# Altium PCB PCB_CONNECT.PcbDoc
Units mm, origin at the board's own origin, x right, y up, seen from the top; angles counter-clockwise.
Board outline 152.4 x 52.45 mm, 2 copper layers (Top Layer, Bottom Layer); 120 components, 48 nets, 360 pads, 310 vias.
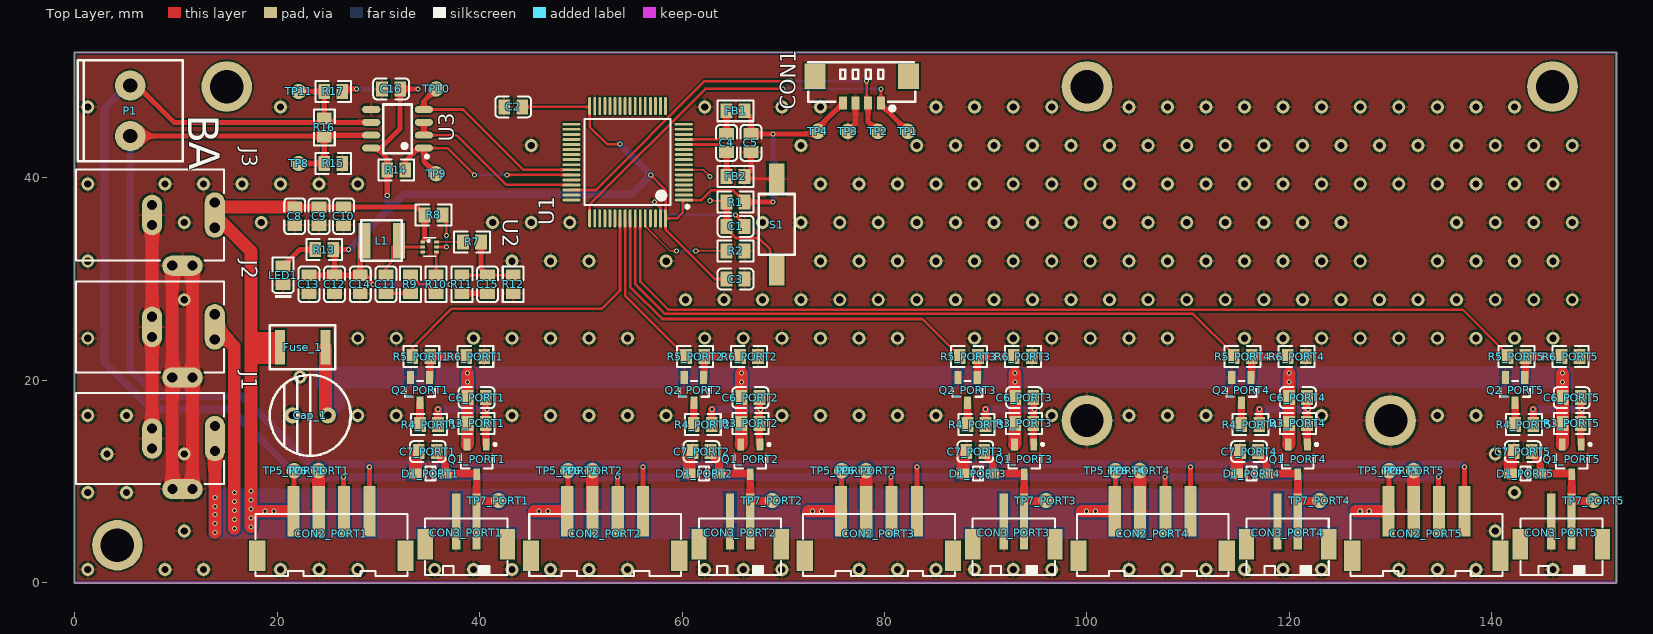
[diagram p0: Top Layer view]
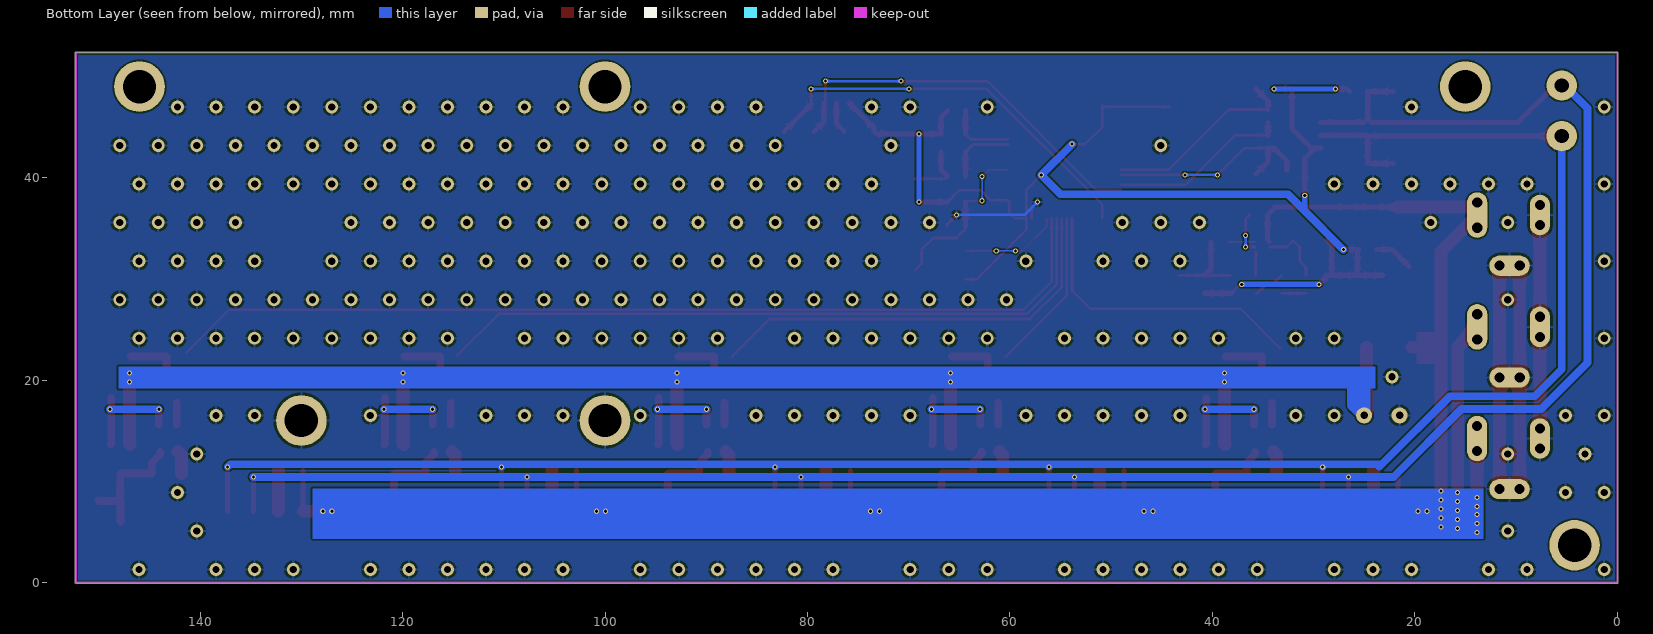
[diagram p1: Bottom Layer view, seen from below]
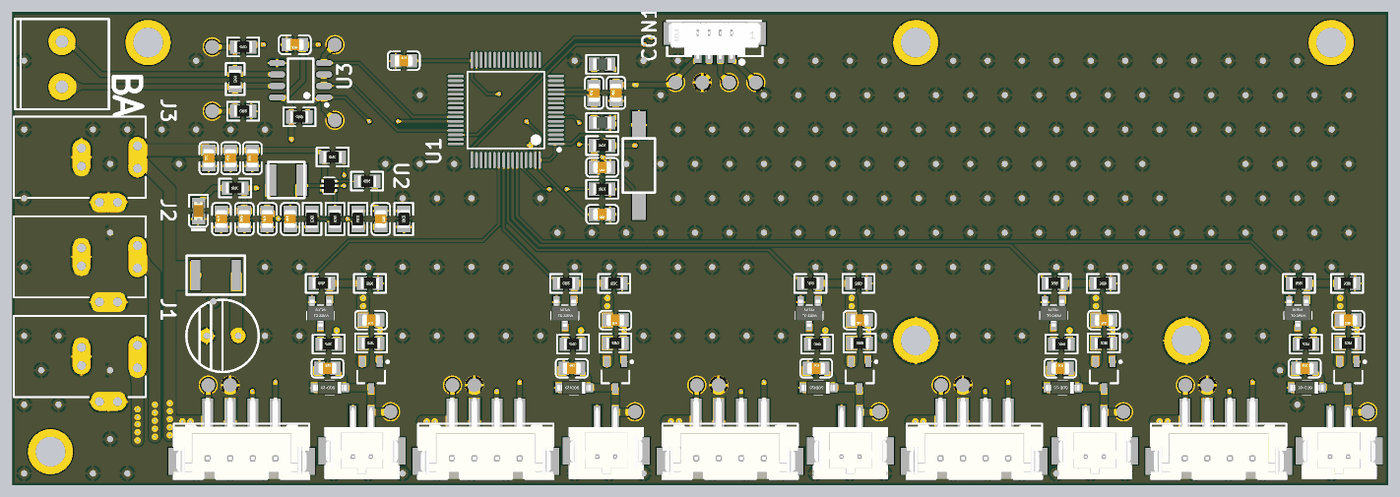
[diagram p2: 3D render of the assembled board from above, using the file's embedded part models]

## Layer stack, top to bottom
Top Solder: solder mask 0.0102, Solder Resist, Dk 3.5
Top Layer: signal copper 0.0356
Dielectric 1: dielectric 0.32, FR-4, Dk 4.8
Bottom Layer: signal copper 0.0356
Bottom Solder: solder mask 0.0102, Solder Resist, Dk 3.5

## Board outline
0,-0.064 cw(c0,0) -0.064,0 -0.064,52.324 cw(c0,52.324) 0,52.388 152.273,52.388 cw(c152.273,52.324) 152.337,52.324 152.337,0 cw(c152.273,0) 152.273,-0.064

## Design rules (kind name [scope] priority, off if disabled: settings)
Clearance [All] p1: gap=0.152
PolygonConnect [All] p1: connectstyle=Relief reliefconductorwidth=0.254 reliefentries=4 polygonreliefangle="90 Angle" airgapwidth=0.254
RoomDefinition PORT5 [InComponentClass('PORT5')] p1: confinementstyle=ConfineIn formatcopy=TRUE lockcomponents=FALSE outline 125.034,26.007 125.034,0.099 152.085,0.099 152.085,26.007
RoomDefinition PORT4 [InComponentClass('PORT4')] p2: confinementstyle=ConfineIn formatcopy=TRUE lockcomponents=FALSE outline 97.983,26.007 97.983,0.099 125.034,0.099 125.034,26.007
RoomDefinition PORT3 [InComponentClass('PORT3')] p3: confinementstyle=ConfineIn formatcopy=TRUE lockcomponents=FALSE outline 70.932,26.007 70.932,0.099 97.983,0.099 97.983,26.007
RoomDefinition PORT2 [InComponentClass('PORT2')] p4: confinementstyle=ConfineIn formatcopy=TRUE lockcomponents=FALSE outline 43.881,26.007 43.881,0.099 70.932,0.099 70.932,26.007
RoomDefinition PORT1 [InComponentClass('PORT1')] p5: confinementstyle=ConfineIn formatcopy=TRUE lockcomponents=FALSE outline 16.83,26.007 16.83,0.099 43.881,0.099 43.881,26.007
RoomDefinition Designator_RS485 [InComponentClass('Designator_RS485')] p6: confinementstyle=ConfineIn formatcopy=TRUE lockcomponents=FALSE outline 37.846,50.292 20.701,50.292 20.701,39.243 37.846,39.243
RoutingVias [All] p1: holewidth=0.3 width=0.5 viastyle="Through Hole" minholewidth=0.2 minwidth=0.45 maxholewidth=6.3 maxwidth=1.27
SolderMaskExpansion [All] p1: expansion=0.102
Width [All] p1: maxlimit=1.27 minlimit=0.152 preferedwidth=0.152
30 further rules are at their usual default settings.

## Classes and differential pairs
component class Connect: J1 J2 J3 P1
component class Designator_POWER: C8 C9 C10 C11 C12 C13 C14 C15 Cap_1 Fuse_1 L1 LED1 R7 R8 R9 R10 R11 R12 R13 U2
component class Designator_RS485: C16 R14 R15 R16 R17 TP8 TP9 TP10 TP11 U3
component class Designator: C1 C2 C3 C4 C5 CON1 FB1 FB2 R1 R2 S1 TP1 TP2 TP3 TP4 U1
component class PORT1: C6_PORT1 C7_PORT1 CON2_PORT1 CON3_PORT1 D1_PORT1 Q1_PORT1 Q2_PORT1 R3_PORT1 R4_PORT1 R5_PORT1 R6_PORT1 TP5_PORT1 TP6_PORT1 TP7_PORT1
component class PORT2: C6_PORT2 C7_PORT2 CON2_PORT2 CON3_PORT2 D1_PORT2 Q1_PORT2 Q2_PORT2 R3_PORT2 R4_PORT2 R5_PORT2 R6_PORT2 TP5_PORT2 TP6_PORT2 TP7_PORT2
component class PORT3: C6_PORT3 C7_PORT3 CON2_PORT3 CON3_PORT3 D1_PORT3 Q1_PORT3 Q2_PORT3 R3_PORT3 R4_PORT3 R5_PORT3 R6_PORT3 TP5_PORT3 TP6_PORT3 TP7_PORT3
component class PORT4: C6_PORT4 C7_PORT4 CON2_PORT4 CON3_PORT4 D1_PORT4 Q1_PORT4 Q2_PORT4 R3_PORT4 R4_PORT4 R5_PORT4 R6_PORT4 TP5_PORT4 TP6_PORT4 TP7_PORT4
component class PORT5: C6_PORT5 C7_PORT5 CON2_PORT5 CON3_PORT5 D1_PORT5 Q1_PORT5 Q2_PORT5 R3_PORT5 R4_PORT5 R5_PORT5 R6_PORT5 TP5_PORT5 TP6_PORT5 TP7_PORT5
net class LED_EN[1..5]: LED_EN1 LED_EN2 LED_EN3 LED_EN4 LED_EN5
channel class Port: PORT1 PORT2 PORT3 PORT4 PORT5

## Components (designator, comment, footprint, x,y, rotation, side; value= is the part's Value field where it differs from the comment)
C1 "100nF(104) 10% 50V" 0805_C 65.278,35.179 r180 top
C2 "100nF(104) 10% 50V" 0805_C 43.307,46.99 r0 top
C3 "100nF(104) 10% 50V" 0805_C 65.278,29.972 r180 top
C4 "100nF(104) 10% 50V" 0805_C 64.389,43.434 r90 top
C5 "100nF(104) 10% 50V" 0805_C 66.802,43.434 r90 top
C6_PORT1 "NC" 0805_C 39.69,18.26 r180 top (schematic designator C6)
C6_PORT2 "NC" 0805_C 66.741,18.26 r180 top (schematic designator C6)
C6_PORT3 "NC" 0805_C 93.792,18.26 r180 top (schematic designator C6)
C6_PORT4 "NC" 0805_C 120.843,18.26 r180 top (schematic designator C6)
C6_PORT5 "NC" 0805_C 147.894,18.26 r180 top (schematic designator C6)
C7_PORT1 "10uF (106) 10% 25V" 0805_C 34.864,12.926 r0 top (schematic designator C7)
C7_PORT2 "10uF (106) 10% 25V" 0805_C 61.915,12.926 r0 top (schematic designator C7)
C7_PORT3 "10uF (106) 10% 25V" 0805_C 88.966,12.926 r0 top (schematic designator C7)
C7_PORT4 "10uF (106) 10% 25V" 0805_C 116.017,12.926 r0 top (schematic designator C7)
C7_PORT5 "10uF (106) 10% 25V" 0805_C 143.068,12.926 r0 top (schematic designator C7)
C8 "NC" 0805_C 21.717,36.194 r90 top
C9 "10uF (106) 10% 25V" 0805_C 24.13,36.194 r90 top
C10 "100nF(104) 10% 50V" 0805_C 26.543,36.194 r90 top
C11 "1uF (105) 10% 50V" 0805_C 30.734,29.463 r90 top
C12 "100nF(104) 10% 50V" 0805_C 25.654,29.463 r90 top
C13 "22uF (226) 20% 25V" 0805_C 23.114,29.463 r90 top
C14 "22uF (226) 20% 25V" 0805_C 28.194,29.463 r90 top
C15 "33pF (330) 5% 50V" 0805_C 40.767,29.463 r270 top
C16 "100nF(104) 10% 50V" 0805_C 31.242,48.768 r180 top
Cap_1 "CAP" 8X12_CAP 23.241,16.51 r180 top
CON1 "4P_SMD1.25_WF" "MX 1.25-LS-4P" 77.74,49.632 r180 top
CON2_PORT1 "4P_XH2.54_W" XH2.54-LS-4P 25.339,3.655 r180 top (schematic designator CON2)
CON2_PORT2 "4P_XH2.54_W" XH2.54-LS-4P 52.39,3.655 r180 top (schematic designator CON2)
CON2_PORT3 "4P_XH2.54_W" XH2.54-LS-4P 79.441,3.655 r180 top (schematic designator CON2)
CON2_PORT4 "4P_XH2.54_W" XH2.54-LS-4P 106.492,3.655 r180 top (schematic designator CON2)
CON2_PORT5 "4P_XH2.54_W" XH2.54-LS-4P 133.543,3.655 r180 top (schematic designator CON2)
CON3_PORT1 "Header 2" PH2.0-LS-2P 38.674,3.528 r180 top (schematic designator CON3)
CON3_PORT2 "Header 2" PH2.0-LS-2P 65.725,3.528 r180 top (schematic designator CON3)
CON3_PORT3 "Header 2" PH2.0-LS-2P 92.776,3.528 r180 top (schematic designator CON3)
CON3_PORT4 "Header 2" PH2.0-LS-2P 119.827,3.528 r180 top (schematic designator CON3)
CON3_PORT5 "Header 2" PH2.0-LS-2P 146.878,3.528 r180 top (schematic designator CON3)
D1_PORT1 "B5819W  SL" SOD-123 35.118,10.767 r180 top (schematic designator D1)
D1_PORT2 "B5819W  SL" SOD-123 62.169,10.767 r180 top (schematic designator D1)
D1_PORT3 "B5819W  SL" SOD-123 89.22,10.767 r180 top (schematic designator D1)
D1_PORT4 "B5819W  SL" SOD-123 116.271,10.767 r180 top (schematic designator D1)
D1_PORT5 "B5819W  SL" SOD-123 143.322,10.767 r180 top (schematic designator D1)
FB1 "100Ω ±25% 100MHz" 0805_L 65.278,46.609 r180 top
FB2 "100Ω ±25% 100MHz" 0805_L 65.278,40.132 r180 top
Fuse_1 "SMD1812P260_FUSE" SMD1812P260 20.265,23.241 r0 top
J1 "PWR2.5" KLD-0202 0.127,14.224 r0 top
J2 "PWR2.5" KLD-0202 0.12,25.257 r0 top
J3 "PWR2.5" KLD-0202 0.12,36.306 r0 top
L1 "2.2uH" L_4030 32.304,35.781 r180 top
LED1 "红灯 0805" 0805_LED_S1 20.574,30.353 r90 top
P1 "Header 2" KF128-2P 5.461,46.609 r180 top
Q1_PORT1 "AO3401A P道沟 X13A15 SOT-23" SOT-23-3L 39.69,12.164 r90 top (schematic designator Q1)
Q1_PORT2 "AO3401A P道沟 X13A15 SOT-23" SOT-23-3L 66.741,12.164 r90 top (schematic designator Q1)
Q1_PORT3 "AO3401A P道沟 X13A15 SOT-23" SOT-23-3L 93.792,12.164 r90 top (schematic designator Q1)
Q1_PORT4 "AO3401A P道沟 X13A15 SOT-23" SOT-23-3L 120.843,12.164 r90 top (schematic designator Q1)
Q1_PORT5 "AO3401A P道沟 X13A15 SOT-23" SOT-23-3L 147.894,12.164 r90 top (schematic designator Q1)
Q2_PORT1 "SS8050 Y1" SOT-23(SOT-23-3) 34.102,19.002 r90 top (schematic designator Q2)
Q2_PORT2 "SS8050 Y1" SOT-23(SOT-23-3) 61.153,19.002 r90 top (schematic designator Q2)
Q2_PORT3 "SS8050 Y1" SOT-23(SOT-23-3) 88.204,19.002 r90 top (schematic designator Q2)
Q2_PORT4 "SS8050 Y1" SOT-23(SOT-23-3) 115.255,19.002 r90 top (schematic designator Q2)
Q2_PORT5 "SS8050 Y1" SOT-23(SOT-23-3) 142.306,19.002 r90 top (schematic designator Q2)
R1 "10KΩ (1002) ±1%" 0805_R 65.278,37.592 r0 top
R2 "10KΩ (1002) ±1%" 0805_R 65.278,32.766 r0 top
R3_PORT1 "100KΩ (1003) ±1%" 0805_R 39.69,15.72 r180 top (schematic designator R3)
R3_PORT2 "100KΩ (1003) ±1%" 0805_R 66.741,15.72 r180 top (schematic designator R3)
R3_PORT3 "100KΩ (1003) ±1%" 0805_R 93.792,15.72 r180 top (schematic designator R3)
R3_PORT4 "100KΩ (1003) ±1%" 0805_R 120.843,15.72 r180 top (schematic designator R3)
R3_PORT5 "100KΩ (1003) ±1%" 0805_R 147.894,15.72 r180 top (schematic designator R3)
R4_PORT1 "1KΩ (1001) ±1%" 0805_R 34.991,15.593 r180 top (schematic designator R4)
R4_PORT2 "1KΩ (1001) ±1%" 0805_R 62.042,15.593 r180 top (schematic designator R4)
R4_PORT3 "1KΩ (1001) ±1%" 0805_R 89.093,15.593 r180 top (schematic designator R4)
R4_PORT4 "1KΩ (1001) ±1%" 0805_R 116.144,15.593 r180 top (schematic designator R4)
R4_PORT5 "1KΩ (1001) ±1%" 0805_R 143.195,15.593 r180 top (schematic designator R4)
R5_PORT1 "1KΩ (1001) ±1%" 0805_R 34.229,22.324 r0 top (schematic designator R5)
R5_PORT2 "1KΩ (1001) ±1%" 0805_R 61.28,22.324 r0 top (schematic designator R5)
R5_PORT3 "1KΩ (1001) ±1%" 0805_R 88.331,22.324 r0 top (schematic designator R5)
R5_PORT4 "1KΩ (1001) ±1%" 0805_R 115.382,22.324 r0 top (schematic designator R5)
R5_PORT5 "1KΩ (1001) ±1%" 0805_R 142.433,22.324 r0 top (schematic designator R5)
R6_PORT1 "10KΩ (1002) ±1%" 0805_R 39.563,22.324 r180 top (schematic designator R6)
R6_PORT2 "10KΩ (1002) ±1%" 0805_R 66.614,22.324 r180 top (schematic designator R6)
R6_PORT3 "10KΩ (1002) ±1%" 0805_R 93.665,22.324 r180 top (schematic designator R6)
R6_PORT4 "10KΩ (1002) ±1%" 0805_R 120.716,22.324 r180 top (schematic designator R6)
R6_PORT5 "10KΩ (1002) ±1%" 0805_R 147.767,22.324 r180 top (schematic designator R6)
R7 "100KΩ (1003) ±1%" 0805_R 39.243,33.655 r0 top
R8 "100KΩ (1003) ±1%" 0805_R 35.433,36.321 r180 top
R9 "10Ω (10R0) ±1%" 0805_R 33.147,29.463 r270 top
R10 "20Ω (20R0) ±1%" 0805_R 35.687,29.463 r270 top
R11 "40.2KΩ (4022) ±1%" 0805_R 38.227,29.463 r90 top
R12 "13KΩ (1302) ±1%" 0805_R 43.307,29.463 r90 top
R13 "180Ω (1800) ±1%" 0805_R 24.638,32.893 r180 top
R14 "10KΩ (1002) ±1%" 0805_R 31.75,40.767 r180 top
R15 "10KΩ (1002) ±1%" 0805_R 25.527,41.402 r0 top
R16 "120Ω (1200) ±1%" 0805_R 24.638,44.958 r270 top
R17 "10KΩ (1002) ±1%" 0805_R 25.527,48.514 r180 top
S1 "SW-SPST" KEY 69.342,30.861 r90 top
TP1 "TP" TP 82.296,44.577 r0 top
TP2 "TP" TP 79.333,44.577 r0 top
TP3 "TP" TP 76.369,44.577 r0 top
TP4 "TP" TP 73.406,44.577 r0 top
TP5_PORT1 "TP" TP 21.656,11.049 r0 top (schematic designator TP5)
TP5_PORT2 "TP" TP 48.707,11.049 r0 top (schematic designator TP5)
TP5_PORT3 "TP" TP 75.758,11.049 r0 top (schematic designator TP5)
TP5_PORT4 "TP" TP 102.809,11.049 r0 top (schematic designator TP5)
TP5_PORT5 "TP" TP 129.86,11.049 r0 top (schematic designator TP5)
TP6_PORT1 "TP" TP 24.069,11.049 r0 top (schematic designator TP6)
TP6_PORT2 "TP" TP 51.12,11.049 r0 top (schematic designator TP6)
TP6_PORT3 "TP" TP 78.171,11.049 r0 top (schematic designator TP6)
TP6_PORT4 "TP" TP 105.222,11.049 r0 top (schematic designator TP6)
TP6_PORT5 "TP" TP 132.273,11.049 r0 top (schematic designator TP6)
TP7_PORT1 "TP" TP 41.849,8.1 r0 top (schematic designator TP7)
TP7_PORT2 "TP" TP 68.9,8.1 r0 top (schematic designator TP7)
TP7_PORT3 "TP" TP 95.951,8.1 r0 top (schematic designator TP7)
TP7_PORT4 "TP" TP 123.002,8.1 r0 top (schematic designator TP7)
TP7_PORT5 "TP" TP 150.053,8.1 r0 top (schematic designator TP7)
TP8 "TP" TP 22.098,41.402 r180 top
TP9 "TP" TP 35.687,40.386 r180 top
TP10 "TP" TP 35.687,48.768 r270 top
TP11 "TP" TP 22.098,48.514 r270 top
U1 "STM32F030R8T6" LQFP-64_10X10X05P 54.61,41.529 r90 top
U2 "MP1653HGTF-Z" SOT563-6 35.053,33.146 r270 top
U3 "SP3485EN-L/TR" SOIC-8_150mil 31.877,44.831 r90 top

## Footprints (in the part's own frame and the unit in brackets; to place one, negate y for a bottom-side part, rotate by r counter-clockwise, add the part's x,y. Pads: shape width x height; smd on the part's side, far side on the other; paste and mask are expansions set on the pad)
8X12_CAP [mm]
  round 1.6 hole 0.75: 1(-1.75,0) 2(1.75,0)
  silkscreen extent -4,-4 4,4
0805_C [mm]
  rect 1.16x1.47 smd: 1(-0.89,0) 2(0.89,0)
  silkscreen extent -1.77,-1.04 1.77,1.04, body extent -1,-0.62 1,0.63, height 0.77
0805_L [mm]
  rect 1.16x1.47 smd: 1(-0.89,0) 2(0.89,0)
  silkscreen extent -1.77,-1.04 1.77,1.03, body extent -1.02,-0.64 1.03,0.64, height 0.6
0805_LED_S1 [mm]
  rect 1.16x1.47 smd: A(0.89,0) K(-0.89,0)
  silkscreen extent -2.24,-1.04 1.77,1.03, body extent -1.01,-0.62 1.01,0.62, height 1.1
0805_R [mm]
  rect 1.16x1.47 smd: 1(-0.89,0) 2(0.89,0)
  silkscreen extent -1.77,-1.04 1.77,1.03, body extent -1,-0.62 1,0.63, height 0.49
KEY [mil]
  rect 118.11x60 smd: 1(0,0) 2(355,0)
  silkscreen extent 60,-70 296,70
KF128-2P [mm]
  round 3 hole 1.4: 1(0,2.5) 2(0,-2.5)
  silkscreen extent -5.2,-5 5.2,5
KLD-0202 [mm] "DC Power Jack, 2.5mm, KLD Series, PCB Mount"
  oval 2x4.5 all layers, no hole: 1(13.7,0)
  round 1.5 hole 1: 1A(13.7,-1.25) 1B(13.7,1.25) 2A(7.5,-1) 2B(7.5,1) 3A(9.5,-5) 3B(11.5,-5)
  oval 2x4 all layers, no hole: 2(7.5,0)
  oval 4x2 all layers, no hole: 3(10.5,-5)
  silkscreen extent 0,-4.5 14.6,4.5
L_4030 [mm]
  rect 1.2x3.5 smd: 1(0.3,2) 2(3.7,2)
  silkscreen extent 0,0 4,4
LQFP-64_10X10X05P [mm]
  oval 0.28x1.8 smd mask+0.051: 1(-3.75,-5.55) 2(-3.25,-5.55) 3(-2.75,-5.55) 4(-2.25,-5.55) 5(-1.75,-5.55) 6(-1.25,-5.55) 7(-0.75,-5.55) 8(-0.25,-5.55) 9(0.25,-5.55) 10(0.75,-5.55) 11(1.25,-5.55) 12(1.75,-5.55) 13(2.25,-5.55) 14(2.75,-5.55) 15(3.25,-5.55) 16(3.75,-5.55) 33(3.75,5.55) 34(3.25,5.55) 35(2.75,5.55) 36(2.25,5.55) 37(1.75,5.55) 38(1.25,5.55) 39(0.75,5.55) 40(0.25,5.55) 41(-0.25,5.55) 42(-0.75,5.55) 43(-1.25,5.55) 44(-1.75,5.55) 45(-2.25,5.55) 46(-2.75,5.55) 47(-3.25,5.55) 48(-3.75,5.55)
  oval 1.8x0.28 smd mask+0.051: 17(5.55,-3.75) 18(5.55,-3.25) 19(5.55,-2.75) 20(5.55,-2.25) 21(5.55,-1.75) 22(5.55,-1.25) 23(5.55,-0.75) 24(5.55,-0.25) 25(5.55,0.25) 26(5.55,0.75) 27(5.55,1.25) 28(5.55,1.75) 29(5.55,2.25) 30(5.55,2.75) 31(5.55,3.25) 32(5.55,3.75) 49(-5.55,3.75) 50(-5.55,3.25) 51(-5.55,2.75) 52(-5.55,2.25) 53(-5.55,1.75) 54(-5.55,1.25) 55(-5.55,0.75) 56(-5.55,0.25) 57(-5.55,-0.25) 58(-5.55,-0.75) 59(-5.55,-1.25) 60(-5.55,-1.75) 61(-5.55,-2.25) 62(-5.55,-2.75) 63(-5.55,-3.25) 64(-5.55,-3.75)
  silkscreen extent -4.55,-6.05 4.25,4.25
"MX 1.25-LS-4P" [mm] "长：9.75m，宽：3.7mm，高：4.7mm"
  rect 2.1x2.5 smd: 0(-4.632,-0.381) 0(4.604,-0.381)
  rect 0.8x1.3 smd: 1(-1.889,2.261) 2(-0.639,2.261) 3(0.611,2.261) 4(1.861,2.261)
  silkscreen extent -5.29,-1.78 5.27,2.99, body extent -5.07,-1.6 5.07,2.5, height 4.7
PH2.0-LS-2P [mm] "长：8mm，宽：5.5mm，高：6.1mm"
  rect 1.5x3 smd: 0(-4.064,-0.254) 0(4.064,-0.254)
  rect 0.8x5.5 smd: 1(-1,-2.492) 2(1,-2.492)
  silkscreen extent -4.06,-2.79 4.06,2.79, body extent -4,-5.05 4,2.75, height 6.15
SMD1812P260 [mm]
  rect 1x3.41 smd: 1(0,0) 2(4.5,0)
  silkscreen extent -1.02,-2.16 5.46,2.16
SOD-123 [mm]
  rect 1.25x1 smd: 1(1.475,0) 2(-1.475,0)
  silkscreen extent -0.5,-0.7 0.5,0.7, body extent -1.85,-0.77 1.85,0.78, height 1.35
SOIC-8_150mil [mm]
  oval 0.7x1.8 smd: 1(-1.905,-2.6) 2(-0.635,-2.6) 3(0.635,-2.6) 4(1.905,-2.6) 5(1.905,2.6) 6(0.635,2.6) 7(-0.635,2.6) 8(-1.905,2.6)
  silkscreen extent -2.9,-3.05 2.4,1.4
SOT563-6 [mm]
  rect 0.3x0.45 smd: 1(-0.5,-0.675) 2(0,-0.675) 3(0.5,-0.675) 4(0.5,0.675) 5(0,0.675) 6(-0.5,0.675)
  silkscreen extent -0.9,-0.6 0.9,0.6, body extent -0.8,-0.8 0.8,0.83, height 0.58
SOT-23(SOT-23-3) [mm]
  rect 1.25x0.7 smd: 1(1.25,-0.95) 2(1.25,0.95) 3(-1.25,0)
  silkscreen extent -0.65,-1.46 0.9,1.46, body extent -1.5,-1.5 1.5,1.5, height 1.3
SOT-23-3L [mm] "http://www.aosmd.com/res/packaging_information/SOT-23-3L.pdf"
  rect 1.15x0.65 smd: 1(1.475,-0.95) 2(1.475,0.95) 3(-1.475,0)
  silkscreen extent -0.9,-1.95 1.6,1.55, body extent -0.9,-1.55 0.9,1.55, height 1.25
TP [mil]
  round 60 smd mask+11.81: 1(0,0)
XH2.54-LS-4P [mm] "长：15mm，宽：6mm，高：8.3mm"
  rect 1.6x3 smd: 0(-7.326,1.016) 0(7.326,1.016)
  rect 1.2x5 smd: 1(-3.75,-3.383) 2(-1.25,-3.383) 3(1.25,-3.383) 4(3.75,-3.383)
  silkscreen extent -7.5,-3.13 7.5,3, body extent -7.5,-6 7.5,3, height 8

## Part data
C1 C2 C3 C4 C5 C10 C12 C16: library part "0805 100nF(104) 10% 50V", "贴片电容"
C6_PORT1 C6_PORT2 C6_PORT3 C6_PORT4 C6_PORT5 C13 C14: library part "0805 22uF (226) 20% 25V", "贴片电容"
C7_PORT1 C7_PORT2 C7_PORT3 C7_PORT4 C7_PORT5 C8 C9: library part "0805 10uF (106) 10% 25V", "贴片电容"
C11: library part "0805 1uF (105) 10% 50V", "贴片电容"
C15: library part "0805 33pF (330) 5% 50V", "贴片电容"
CON1: library part 4P_XH2.54_W
CON3_PORT1 CON3_PORT2 CON3_PORT3 CON3_PORT4 CON3_PORT5 P1: "Header, 2-Pin"
D1_PORT1 D1_PORT2 D1_PORT3 D1_PORT4 D1_PORT5: library part "SOD-123 B5819W  SL", "肖特基二极管"
FB1 FB2: library part "0805 100Ω 25% 100MHz", "贴片磁珠"
J1 J2 J3: "Low Voltage Power Supply Connector"
L1: library part 33uH
LED1: library part "0805 红灯", "发光二极管"
Q1_PORT1 Q1_PORT2 Q1_PORT3 Q1_PORT4 Q1_PORT5: "MOS(场效应管)"
Q2_PORT1 Q2_PORT2 Q2_PORT3 Q2_PORT4 Q2_PORT5: library part "SOT-23 SS8050 Y1", "三极管"
R1 R2 R6_PORT1 R6_PORT2 R6_PORT3 R6_PORT4 R6_PORT5 R14 R15 R17: library part "0805 10KΩ (1002) 1%", "贴片电阻"
R3_PORT1 R3_PORT2 R3_PORT3 R3_PORT4 R3_PORT5 R7 R8: library part "0805 100KΩ (1003) 1%", "贴片电阻"
R4_PORT1 R4_PORT2 R4_PORT3 R4_PORT4 R4_PORT5 R5_PORT1 R5_PORT2 R5_PORT3 R5_PORT4 R5_PORT5: library part "0805 1KΩ (1001) 1%", "贴片电阻"
R9: library part "0805 10Ω (10R0) 1%", "贴片电阻"
R10: library part "0805 20Ω (20R0) 1%", "贴片电阻"
R11: library part "0805 40.2KΩ (4022) 1%", "贴片电阻"
R12: library part "0805 13KΩ (1302) 1%", "贴片电阻"
R13: library part "0805 180Ω (1800) 1%", "贴片电阻"
R16: library part "0805 120Ω (1200) 1%", "贴片电阻"
S1: "Single-Pole, Single-Throw Switch"
U3: library part SP3485EN-L/TR_[C8963], "RS-485/RS-422"

## Free pads (board coordinates)
  round 5 hole 3.3: 0(4.191,3.683) 0(15,49) 0(100,16) 0(100,49) 0(130,16) 0(146,49)

## Via types
v1: diameter 1.27, hole 0.711, Top Layer to Bottom Layer, tented both sides, 231 vias
v2: diameter 0.5, hole 0.3, Top Layer to Bottom Layer, 79 vias

## Nets (pads, with @x,y where several pads share a name; then routed paths per layer and width w, separated by ;. In a path a pad name is that pad's centre, name@x,y a point inside that pad or via, vN(x,y) a via of type N, cw(c..) or ccw(c..) an arc to the next point about the centre after c; other vN are vias at no path point)
DE: U1.45 U3.2 U3.3 | length 17.9
  Top Layer w0.254: U3.2 37.719,44.196 42.636,39.279 U1.45
  Top Layer w0.508: U3.2 U3.3
GNDA: C4.1 FB2.2 U1.12 | length 6.9
  Top Layer w0.254: U1.12 63.654,43.279 C4.1
  Top Layer w0.508: FB2.2 64.388,42.543 C4.1
LED_EN1: R5_PORT1.1 U1.55 | length 30.1
  Top Layer w0.254: 33.293,23.133 37.211,27.051 52.07,27.051 53.86,28.841 U1.55
LED_EN2: R5_PORT2.1 U1.56 | length 16.2
  Top Layer w0.254: U1.56 54.36,28.354 R5_PORT2.1
LED_EN3: R5_PORT3.1 U1.57 | length 42.2
  Top Layer w0.254: U1.57 54.86,29.214 58.039,26.035 83.73,26.035 R5_PORT3.1
LED_EN4: R5_PORT4.1 U1.58 | length 68.7
  Top Layer w0.254: U1.58 55.36,29.476 58.293,26.543 110.49,26.543 R5_PORT4.1@114.617,22.415
LED_EN5: R5_PORT5.1 U1.59 | length 94.6
  Top Layer w0.254: U1.59 55.86,29.738 58.649,26.949 137.135,26.949 R5_PORT5.1@141.351,22.733
LOCK_GND_PORT1: C1.1 C2.1 C3.1 C5.1 C7_PORT1.1 C7_PORT2.1 C7_PORT3.1 C7_PORT4.1 C7_PORT5.1 C8.1 C9.1 C10.1 C12.1 C13.1 C14.1 C16.2 Cap_1.2 CON1.3 CON2_PORT1.3 CON2_PORT2.3 CON2_PORT3.3 CON2_PORT4.3 CON2_PORT5.3 CON3_PORT1.2 CON3_PORT2.2 CON3_PORT3.2 CON3_PORT4.2 CON3_PORT5.2 D1_PORT1.1 D1_PORT2.1 D1_PORT3.1 D1_PORT4.1 D1_PORT5.1 FB2.1 J1.2 J1.2A J1.2B J1.3 J1.3A J1.3B J2.2 J2.2A J2.2B J2.3 J2.3A J2.3B J3.2 J3.2A J3.2B J3.3 J3.3A J3.3B LED1.K pad.0@100,16 pad.0@130,16 Q2_PORT1.2 Q2_PORT2.2 Q2_PORT3.2 Q2_PORT4.2 Q2_PORT5.2 R2.2 R6_PORT1.1 R6_PORT2.1 R6_PORT3.1 R6_PORT4.1 R6_PORT5.1 R12.1 R15.2 S1.2 TP3.1 TP6_PORT1.1 TP6_PORT2.1 TP6_PORT3.1 TP6_PORT4.1 TP6_PORT5.1 U1.31 U1.63 U2.3 U3.5 | length 120.8
  Top Layer w0.254: v2(57.277,37.592) 57.86,37.009 U1.63 ; v2(65.278,36.322) 66.168,35.432 C1.1 ; FB2.1 66.422,39.878 S1.2
  Top Layer w0.508: FB2.1 66.802,40.766 C5.1 ; TP3.1 77.129,45.337 CON1.3
  Top Layer w1.27: J3.2B J3.2 J3.2A J2.2B J2.2 J2.2A 7.62,13.231 J1.2A ; J3.3A J2.3A 9.62,9.231 J1.3A ; J3.3B J2.3B 11.62,9.231 J1.3B ; TP6_PORT1.1 24.069,7.058 CON2_PORT1.3 ; D1_PORT1.1 33.643,12.595 C7_PORT1.1 ; TP6_PORT2.1 51.12,7.058 CON2_PORT2.3 ; D1_PORT2.1 60.694,12.595 C7_PORT2.1 ; TP6_PORT3.1 78.171,7.058 CON2_PORT3.3 ; D1_PORT3.1 87.745,12.595 C7_PORT3.1 ; TP6_PORT4.1 105.222,7.058 CON2_PORT4.3 ; D1_PORT4.1 114.796,12.595 C7_PORT4.1 ; TP6_PORT5.1 132.273,7.058 CON2_PORT5.3 ; D1_PORT5.1 141.847,12.595 C7_PORT5.1
  Bottom Layer w0.254: v2(57.277,37.592) 58.547,36.322 v2(65.278,36.322)
  other v1: 1.27,1.27 8.89,1.27 12.7,1.27 20.32,1.27 24.13,1.27 27.94,1.27 35.56,1.27 39.37,1.27 43.18,1.27 46.99,1.27 50.8,1.27 54.61,1.27 62.23,1.27 66.04,1.27 69.85,1.27 77.47,1.27 81.28,1.27 85.09,1.27 88.9,1.27 92.71,1.27 96.52,1.27 104.14,1.27 107.95,1.27 111.76,1.27 115.57,1.27 119.38,1.27 123.19,1.27 130.81,1.27 134.62,1.27 138.43,1.27 146.05,1.27 10.795,5.08 140.335,5.08 1.27,8.89 5.08,8.89 142.24,8.89 3.175,12.7 10.795,12.7 140.335,12.7 1.27,16.51 5.08,16.51 27.94,16.51 31.75,16.51 43.18,16.51 46.99,16.51 50.8,16.51 54.61,16.51 58.42,16.51 69.85,16.51 73.66,16.51 77.47,16.51 81.28,16.51 85.09,16.51 96.52,16.51 104.14,16.51 107.95,16.51 111.76,16.51 123.19,16.51 134.62,16.51 138.43,16.51 22.225,20.32 1.27,24.13 27.94,24.13 31.75,24.13 39.37,24.13 43.18,24.13 46.99,24.13 50.8,24.13 54.61,24.13 62.23,24.13 66.04,24.13 69.85,24.13 73.66,24.13 77.47,24.13 81.28,24.13 88.9,24.13 92.71,24.13 96.52,24.13 100.33,24.13 104.14,24.13 107.95,24.13 115.57,24.13 119.38,24.13 123.19,24.13 127,24.13 130.81,24.13 134.62,24.13 138.43,24.13 142.24,24.13 146.05,24.13 10.795,27.94 60.325,27.94 64.135,27.94 67.945,27.94 71.755,27.94 75.565,27.94 79.375,27.94 83.185,27.94 86.995,27.94 90.805,27.94 94.615,27.94 98.425,27.94 102.235,27.94 106.045,27.94 109.855,27.94 113.665,27.94 117.475,27.94 121.285,27.94 125.095,27.94 128.905,27.94 132.715,27.94 136.525,27.94 140.335,27.94 144.145,27.94 147.955,27.94 1.27,31.75 43.18,31.75 46.99,31.75 50.8,31.75 58.42,31.75 73.66,31.75 77.47,31.75 81.28,31.75 85.09,31.75 88.9,31.75 92.71,31.75 96.52,31.75 100.33,31.75 104.14,31.75 107.95,31.75 111.76,31.75 115.57,31.75 119.38,31.75 123.19,31.75 127,31.75 134.62,31.75 138.43,31.75 142.24,31.75 146.05,31.75 10.795,35.56 18.415,35.56 41.275,35.56 45.085,35.56 48.895,35.56 67.945,35.56 71.755,35.56 75.565,35.56 79.375,35.56 83.185,35.56 86.995,35.56 90.805,35.56 94.615,35.56 98.425,35.56 102.235,35.56 106.045,35.56 109.855,35.56 113.665,35.56 117.475,35.56 121.285,35.56 125.095,35.56 136.525,35.56 140.335,35.56 144.145,35.56 147.955,35.56 1.27,39.37 8.89,39.37 12.7,39.37 16.51,39.37 20.32,39.37 24.13,39.37 27.94,39.37 73.66,39.37 77.47,39.37 81.28,39.37 85.09,39.37 88.9,39.37 92.71,39.37 96.52,39.37 100.33,39.37 104.14,39.37 107.95,39.37 111.76,39.37 115.57,39.37 119.38,39.37 123.19,39.37 127,39.37 130.81,39.37 134.62,39.37 138.43,39.37 142.24,39.37 146.05,39.37 45.085,43.18 71.755,43.18 83.185,43.18 86.995,43.18 90.805,43.18 94.615,43.18 98.425,43.18 102.235,43.18 106.045,43.18 109.855,43.18 113.665,43.18 117.475,43.18 121.285,43.18 125.095,43.18 128.905,43.18 132.715,43.18 136.525,43.18 140.335,43.18 144.145,43.18 147.955,43.18 1.27,46.99 20.32,46.99 62.23,46.99 69.85,46.99 73.66,46.99 85.09,46.99 88.9,46.99 92.71,46.99 96.52,46.99 104.14,46.99 107.95,46.99 111.76,46.99 115.57,46.99 119.38,46.99 123.19,46.99 127,46.99 130.81,46.99 134.62,46.99 138.43,46.99 142.24,46.99
LOCK_RS485_A_PORT1: CON2_PORT1.1 CON2_PORT2.1 CON2_PORT3.1 CON2_PORT4.1 CON2_PORT5.1 P1.1 R15.1 R16.2 TP8.1 U3.7 | length 211.6
  Top Layer w0.508: P1.1 24.597,44.109 R16.2 ; TP8.1 R15.1 R15.1 R16.2 ; v2(29.083,11.43) 29.089,11.424 CON2_PORT1.1 ; U3.7 24.766,44.196 R16.2 ; v2(56.134,11.43) 56.14,11.424 CON2_PORT2.1 ; v2(83.185,11.43) 83.191,11.424 CON2_PORT3.1 ; v2(110.236,11.43) 110.242,11.424 CON2_PORT4.1 ; v2(137.287,11.43) 137.293,11.424 CON2_PORT5.1
  Bottom Layer w0.762: P1.1 5.461,21.082 8.128,18.415 16.51,18.415 23.241,11.684 ; 23.495,11.43 23.241,11.684 ; v2@29.083,11.441 28.84,11.684 ; v2@56.134,11.441 55.891,11.684 ; v2@83.185,11.441 82.942,11.684 ; v2@110.236,11.441 109.993,11.684 ; v2@137.287,11.441 137.044,11.684 109.993,11.684 ; 23.241,11.684 28.84,11.684 ; 28.84,11.684 55.891,11.684 ; 55.891,11.684 82.942,11.684 ; 82.942,11.684 109.993,11.684
LOCK_RS485_B_PORT1: CON2_PORT1.2 CON2_PORT2.2 CON2_PORT3.2 CON2_PORT4.2 CON2_PORT5.2 P1.2 R16.1 R17.2 TP11.1 U3.6 | length 212.9
  Top Layer w0.508: P1.2 6.136,49.109 9.779,45.466 24.256,45.466 R16.1 ; TP11.1 R17.2 R17.2 R16.1 ; v2(26.543,10.414) 26.543,7.084 CON2_PORT1.2 ; U3.6 25.02,45.466 R16.1 ; v2(53.594,10.414) 53.594,7.084 CON2_PORT2.2 ; v2(80.645,10.414) 80.645,7.084 CON2_PORT3.2 ; v2(107.696,10.414) 107.696,7.084 CON2_PORT4.2 ; v2(134.747,10.414) 134.747,7.084 CON2_PORT5.2
  Bottom Layer w0.508: P1.2@5.167,49.109 P1.2
  Bottom Layer w0.762: P1.2@5.167,49.109 2.921,46.863 2.921,21.717 7.493,17.145 15.367,17.145 22.098,10.414 v2(26.543,10.414) v2(53.594,10.414) v2(80.645,10.414) v2(107.696,10.414) v2(134.747,10.414)
LOCK_VIN_PORT1: C8.2 C9.2 C10.2 CON2_PORT1.4 CON2_PORT2.4 CON2_PORT3.4 CON2_PORT4.4 CON2_PORT5.4 Fuse_1.1 J1.1 J1.1A J1.1B J2.1 J2.1A J2.1B J3.1 J3.1A J3.1B R8.2 TP5_PORT1.1 TP5_PORT2.1 TP5_PORT3.1 TP5_PORT4.1 TP5_PORT5.1 U2.1 | length 129.4
  Top Layer w0.508: CON2_PORT1.4 21.656,7.105 TP5_PORT1.1 ; C8.2 C9.2 C10.2 33.78,37.084 R8.2 34.543,33.867 U2.1@34.378,33.702 ; CON2_PORT2.4 48.707,7.105 TP5_PORT2.1 ; CON2_PORT3.4 75.758,7.105 TP5_PORT3.1 ; CON2_PORT4.4 102.809,7.105 TP5_PORT4.1 ; CON2_PORT5.4 129.86,7.105 TP5_PORT5.1
  Top Layer w1.27: J1.1B@13.82,15.755 13.827,15.748 J1.1B J1.1 J1.1A v2(13.827,8.382) v2(13.827,7.493) v2(13.827,6.731) v2(13.827,5.842) v2(13.827,4.937) ; J2.1B J2.1 15.748,23.329 v2(15.748,8.89) v2(15.748,8.001) v2(15.748,7.112) v2(15.748,6.223) v2(15.748,5.334) ; J3.1A J3.1 17.399,32.727 17.399,23.241 ; J3.1B 14.292,37.084 C8.2 ; v2(17.399,5.501) v2(17.399,6.39) v2(17.399,7.279) v2(17.399,8.168) v2(17.399,9.057) 17.399,23.241 ; 18.362,7.038 v2(18.796,7.038) v2(19.685,7.038) CON2_PORT1.4 ; Fuse_1.1 17.399,23.241 ; 45.413,7.038 v2(45.847,7.038) v2(46.736,7.038) CON2_PORT2.4 ; 72.464,7.038 v2(72.898,7.038) v2(73.787,7.038) CON2_PORT3.4 ; 99.515,7.038 v2(99.949,7.038) v2(100.838,7.038) CON2_PORT4.4 ; 126.566,7.038 v2(127,7.038) v2(127.889,7.038) CON2_PORT5.4
NET_3.3: C2.2 C3.2 C5.2 C12.2 C13.2 C14.2 C15.2 C16.1 CON1.4 FB1.1 L1.2 R1.2 R11.1 R13.1 R14.2 R17.1 TP4.1 U1.1 U1.32 U1.64 U3.8 | length 146
  Top Layer w0.152: v2@37.226,29.464 R11.1@38.117,28.573
  Top Layer w0.254: C2.2 50.771,46.99 U1.32 50.86,45.025 52.578,43.307 v2(53.848,43.307) ; v2(56.896,40.259) 58.36,38.795 U1.64 ; C3.2 63.246,29.972 58.36,34.858 U1.64 ; R1.2 65.025,38.735 62.865,38.735 61.909,37.779 U1.1 60.071,37.69 60.071,36.576 59.474,35.979 U1.64
  Top Layer w0.508: C13.2 C12.2 ; R17.1 26.671,48.768 v2(27.813,48.768) ; v2(27.051,32.893) R13.1 25.654,32.767 C12.2 ; L1.2 28.194,33.371 C14.2 ; U3.8 U3.8@29.845,42.926 ; v2(29.464,29.464) 28.575,30.353 C14.2 ; v2(30.861,38.227) R14.2 R14.2 30.86,41.911 U3.8@29.845,42.926 ; v2(33.909,48.768) C16.1 32.132,44.832 30.226,42.926 U3.8@29.845,42.926 ; R11.1@38.117,28.573 R11.1 C15.2 ; R1.2 v2(68.961,37.592) ; FB1.1 66.802,45.975 C5.2 v2(68.961,44.323) v2(68.961,44.323) 73.152,44.323 TP4.1 73.406,44.898 CON1.4 ; C12.2 C14.2
  Bottom Layer w0.508: v2(27.813,48.768) v2(33.909,48.768) ; v2(29.464,29.464) v2(37.084,29.464) ; 30.861,36.703 v2(30.861,38.227) ; v2(68.961,37.592) v2(68.961,44.323)
  Bottom Layer w0.762: v2(27.051,32.893) 30.861,36.703 32.512,38.354 54.991,38.354 v2(56.896,40.259) v2(53.848,43.307)
NET_LED_VIN: C6_PORT1.2 C6_PORT2.2 C6_PORT3.2 C6_PORT4.2 C6_PORT5.2 Cap_1.1 Fuse_1.2 Q1_PORT1.2 Q1_PORT2.2 Q1_PORT3.2 Q1_PORT4.2 Q1_PORT5.2 R3_PORT1.2 R3_PORT2.2 R3_PORT3.2 R3_PORT4.2 R3_PORT5.2 | length 50.5
  Top Layer w1.27: Fuse_1.2 24.765,16.736 Cap_1.1 ; Q1_PORT1.2 38.8,13.699 R3_PORT1.2 C6_PORT1.2 v2(38.8,19.812) v2@38.8,20.636 ; Q1_PORT2.2 65.851,13.699 R3_PORT2.2 C6_PORT2.2 v2(65.851,19.812) v2@65.851,20.636 ; Q1_PORT3.2 92.902,13.699 R3_PORT3.2 C6_PORT3.2 v2(92.902,19.812) v2@92.902,20.636 ; Q1_PORT4.2 119.953,13.699 R3_PORT4.2 C6_PORT4.2 v2(119.953,19.812) v2@119.953,20.636 ; Q1_PORT5.2 147.004,13.699 R3_PORT5.2 C6_PORT5.2 v2(147.004,19.812) v2@147.004,20.636
  Bottom Layer w1.27: 25.019,20.574 24.991,20.546 Cap_1.1 26.035,17.554 26.035,20.574
  other v2: 38.8,20.701 65.851,20.701 92.902,20.701 119.953,20.701 147.004,20.701
NetC6_PORT1_1: C6_PORT1.1 Q1_PORT1.1 R3_PORT1.1 R4_PORT1.1 | length 11
  Top Layer w0.762: v2(35.88,17.117) v2(35.88,17.117) R4_PORT1.1 ; C6_PORT1.1 R3_PORT1.1 40.58,13.699 Q1_PORT1.1
  Bottom Layer w0.762: v2(35.88,17.117) v2(40.706,17.117)
NetC6_PORT2_1: C6_PORT2.1 Q1_PORT2.1 R3_PORT2.1 R4_PORT2.1 | length 11
  Top Layer w0.762: v2(62.931,17.117) v2(62.931,17.117) R4_PORT2.1 ; C6_PORT2.1 R3_PORT2.1 67.631,13.699 Q1_PORT2.1
  Bottom Layer w0.762: v2(62.931,17.117) v2(67.757,17.117)
NetC6_PORT3_1: C6_PORT3.1 Q1_PORT3.1 R3_PORT3.1 R4_PORT3.1 | length 11
  Top Layer w0.762: v2(89.982,17.117) v2(89.982,17.117) R4_PORT3.1 ; C6_PORT3.1 R3_PORT3.1 94.682,13.699 Q1_PORT3.1
  Bottom Layer w0.762: v2(89.982,17.117) v2(94.808,17.117)
NetC6_PORT4_1: C6_PORT4.1 Q1_PORT4.1 R3_PORT4.1 R4_PORT4.1 | length 11
  Top Layer w0.762: v2(117.033,17.117) v2(117.033,17.117) R4_PORT4.1 ; C6_PORT4.1 R3_PORT4.1 121.733,13.699 Q1_PORT4.1
  Bottom Layer w0.762: v2(117.033,17.117) v2(121.859,17.117)
NetC6_PORT5_1: C6_PORT5.1 Q1_PORT5.1 R3_PORT5.1 R4_PORT5.1 | length 11
  Top Layer w0.762: v2(144.084,17.117) v2(144.084,17.117) R4_PORT5.1 ; C6_PORT5.1 R3_PORT5.1 148.784,13.699 Q1_PORT5.1
  Bottom Layer w0.762: v2(144.084,17.117) v2(148.91,17.117)
NetC7_PORT1_2: C7_PORT1.2 CON3_PORT1.1 D1_PORT1.2 Q1_PORT1.3 TP7_PORT1.1 | length 12.5
  Top Layer w0.762: C7_PORT1.2 35.754,12.671 36.593,11.832 D1_PORT1.2 39.612,10.767 Q1_PORT1.3 CON3_PORT1.1@39.69,8.051 ; CON3_PORT1.1 39.674,8.051 CON3_PORT1.1@39.69,8.051 ; TP7_PORT1.1 41.8,8.051 CON3_PORT1.1@39.69,8.051
NetC7_PORT2_2: C7_PORT2.2 CON3_PORT2.1 D1_PORT2.2 Q1_PORT2.3 TP7_PORT2.1 | length 12.5
  Top Layer w0.762: C7_PORT2.2 62.805,12.671 63.644,11.832 D1_PORT2.2 66.663,10.767 Q1_PORT2.3 CON3_PORT2.1@66.741,8.051 ; CON3_PORT2.1 66.725,8.051 CON3_PORT2.1@66.741,8.051 ; TP7_PORT2.1 68.851,8.051 CON3_PORT2.1@66.741,8.051
NetC7_PORT3_2: C7_PORT3.2 CON3_PORT3.1 D1_PORT3.2 Q1_PORT3.3 TP7_PORT3.1 | length 12.5
  Top Layer w0.762: C7_PORT3.2 89.856,12.671 90.695,11.832 D1_PORT3.2 93.714,10.767 Q1_PORT3.3 CON3_PORT3.1@93.792,8.051 ; CON3_PORT3.1 93.776,8.051 CON3_PORT3.1@93.792,8.051 ; TP7_PORT3.1 95.902,8.051 CON3_PORT3.1@93.792,8.051
NetC7_PORT4_2: C7_PORT4.2 CON3_PORT4.1 D1_PORT4.2 Q1_PORT4.3 TP7_PORT4.1 | length 12.5
  Top Layer w0.762: C7_PORT4.2 116.907,12.671 117.746,11.832 D1_PORT4.2 120.765,10.767 Q1_PORT4.3 CON3_PORT4.1@120.843,8.051 ; CON3_PORT4.1 120.827,8.051 CON3_PORT4.1@120.843,8.051 ; TP7_PORT4.1 122.953,8.051 CON3_PORT4.1@120.843,8.051
NetC7_PORT5_2: C7_PORT5.2 CON3_PORT5.1 D1_PORT5.2 Q1_PORT5.3 TP7_PORT5.1 | length 12.5
  Top Layer w0.762: C7_PORT5.2 143.958,12.671 144.797,11.832 D1_PORT5.2 147.816,10.767 Q1_PORT5.3 CON3_PORT5.1@147.894,8.051 ; CON3_PORT5.1 147.878,8.051 CON3_PORT5.1@147.894,8.051 ; TP7_PORT5.1 150.004,8.051 CON3_PORT5.1@147.894,8.051
NetC11_1: C11.1 R9.2 | length 2.4
  Top Layer w0.254: C11.1 R9.2
NetC11_2: C11.2 L1.1 U2.2 | length 6.6
  Top Layer w0.254: C11.2 30.734,31.115 31.369,31.75 31.369,33.146 L1.1 32.639,33.146 U2.2
NetC15_1: C15.1 R7.2 R11.2 R12.2 | length 8.6
  Top Layer w0.254: R11.2 C15.1 R12.2
  Top Layer w0.508: R7.2 40.133,30.987 C15.1
NetLED1_A: LED1.A R13.2 | length 3.9
  Top Layer w0.508: LED1.A 22.224,32.893 R13.2
NetQ2_PORT1_1: Q2_PORT1.1 R5_PORT1.2 R6_PORT1.2 | length 5.6
  Top Layer w0.762: Q2_PORT1.1@35.119,20.252 R5_PORT1.2 R6_PORT1.2
NetQ2_PORT1_3: Q2_PORT1.3 R4_PORT1.2 | length 2.2
  Top Layer w0.762: R4_PORT1.2 R4_PORT1.2 Q2_PORT1.3
NetQ2_PORT2_1: Q2_PORT2.1 R5_PORT2.2 R6_PORT2.2 | length 5.6
  Top Layer w0.762: Q2_PORT2.1@62.17,20.252 R5_PORT2.2 R6_PORT2.2
NetQ2_PORT2_3: Q2_PORT2.3 R4_PORT2.2 | length 2.2
  Top Layer w0.762: R4_PORT2.2 R4_PORT2.2 Q2_PORT2.3
NetQ2_PORT3_1: Q2_PORT3.1 R5_PORT3.2 R6_PORT3.2 | length 5.6
  Top Layer w0.762: Q2_PORT3.1@89.221,20.252 R5_PORT3.2 R6_PORT3.2
NetQ2_PORT3_3: Q2_PORT3.3 R4_PORT3.2 | length 2.2
  Top Layer w0.762: R4_PORT3.2 R4_PORT3.2 Q2_PORT3.3
NetQ2_PORT4_1: Q2_PORT4.1 R5_PORT4.2 R6_PORT4.2 | length 5.6
  Top Layer w0.762: Q2_PORT4.1@116.272,20.252 R5_PORT4.2 R6_PORT4.2
NetQ2_PORT4_3: Q2_PORT4.3 R4_PORT4.2 | length 2.2
  Top Layer w0.762: R4_PORT4.2 R4_PORT4.2 Q2_PORT4.3
NetQ2_PORT5_1: Q2_PORT5.1 R5_PORT5.2 R6_PORT5.2 | length 5.6
  Top Layer w0.762: Q2_PORT5.1@143.323,20.252 R5_PORT5.2 R6_PORT5.2
NetQ2_PORT5_3: Q2_PORT5.3 R4_PORT5.2 | length 2.2
  Top Layer w0.762: R4_PORT5.2 R4_PORT5.2 Q2_PORT5.3
NetR2_1: R2.1 U1.60 | length 9.8
  Top Layer w0.152: U1.60 56.36,35.198 58.792,32.766 v2(59.436,32.766) ; v2(61.341,32.766) R2.1
  Bottom Layer w0.152: v2(59.436,32.766) v2(61.341,32.766)
NetR7_1: R7.1 U2.6 | length 2.6
  Top Layer w0.152: U2.6 R7.1@38.344,33.646
  Top Layer w0.254: R7.1@38.344,33.646 R7.1
NetR8_1: R8.1 U2.5 | length 4.3
  Top Layer w0.254: U2.5 v2(36.703,33.147) v2(36.703,33.147) ; R8.1 36.703,35.941 v2(36.703,34.29)
  Bottom Layer w0.254: v2(36.703,33.147) v2(36.703,34.29)
NetR9_1: R9.1 R10.2 | length 3.3
  Top Layer w0.254: R9.1 34.036,29.464 34.671,29.464 35.562,28.573 R10.2
NetR10_1: R10.1 U2.4 | length 2.3
  Top Layer w0.254: R10.1 35.687,32.605 U2.4
NRST: C1.2 R1.1 S1.1 U1.7 | length 17.2
  Top Layer w0.152: U1.7 62.091,40.779 v2(62.738,40.132) ; v2(62.738,37.719) 64.387,37.719 64.388,37.72 R1.1
  Top Layer w0.254: C1.2 64.388,34.926 65.278,34.036 67.564,34.036 68.707,32.893 68.707,31.496 S1.1
  Top Layer w0.508: C1.2 R1.1
  Bottom Layer w0.152: v2(62.738,37.719) v2(62.738,40.132)
RXD: R14.1 TP9.1 U1.43 U3.1 | length 22
  Top Layer w0.254: U3.1 36.83,42.926 v2(39.497,40.259) ; v2(42.692,40.279) U1.43
  Top Layer w0.508: R14.1 32.64,41.657 33.909,42.926 U3.1 34.477,41.596 TP9.1
  Bottom Layer w0.254: v2(39.497,40.259) 39.477,40.279 v2(42.692,40.279)
SWD_CLK: CON1.1 TP1.1 U1.49 | length 40.2
  Top Layer w0.254: U1.49 50.86,37.332 62.296,48.768 v2(69.977,48.768) ; CON1.1@79.629,47.244 CON1.1 v2(79.629,48.768)
  Top Layer w0.508: CON1.1@79.629,47.244 TP1.1
  Bottom Layer w0.254: v2(69.977,48.768) v2(79.629,48.768)
SWD_DIO: CON1.2 TP2.1 U1.46 | length 39
  Top Layer w0.254: U1.46 51.479,38.779 62.23,49.53 v2(70.739,49.53) ; v2(78.232,49.53) 78.232,47.518 CON1.2
  Top Layer w0.508: CON1.2 78.379,45.531 TP2.1
  Bottom Layer w0.254: v2(70.739,49.53) v2(78.232,49.53)
TXD: TP10.1 U1.42 U3.4 | length 19.6
  Top Layer w0.254: U3.4 38.354,46.736 44.311,40.779 U1.42
  Top Layer w0.508: U3.4 34.477,47.558 TP10.1
VDDA: C4.2 FB1.2 U1.13 | length 6.7
  Top Layer w0.254: U1.13 63.844,43.779 C4.2
  Top Layer w0.508: FB1.2 FB1.2 C4.2
pads on no net: CON1.0 CON2_PORT1.0 CON2_PORT2.0 CON2_PORT3.0 CON2_PORT4.0 CON2_PORT5.0 CON3_PORT1.0 CON3_PORT2.0 CON3_PORT3.0 CON3_PORT4.0 CON3_PORT5.0 U1.2 U1.3 U1.4 U1.5 U1.6 U1.8 U1.9 U1.10 U1.11 U1.14 U1.15 U1.16 U1.17 U1.18 U1.19 U1.20 U1.21 U1.22 U1.23 U1.24 U1.25 U1.26 U1.27 U1.28 U1.29 U1.30 U1.33 U1.34 U1.35 U1.36 U1.37 U1.38 U1.39 U1.40 U1.41 U1.44 U1.47 U1.48 U1.50 U1.51 U1.52 U1.53 U1.54 U1.61 U1.62

## Polygon pours and split planes (outlines as drawn)
LOCK_GND_PORT1 on Bottom Layer "LOCK_GND_PORT1_L02_P000" (solid, remove dead copper, pour order 0): 152.273,0 152.273,52.324 0,52.324 0,0
LOCK_GND_PORT1 on Top Layer "LOCK_GND_PORT1_L01_P002" (solid, remove dead copper, pour order 2): 152.273,0 152.273,52.324 0,52.324 0,0

## Keep-outs
Keep-Out Layer:
  lines w0.127: 0,0 152.273,0 152.273,52.324 0,52.324 0,0

## Other copper
Top Layer:
  rectangle net LOCK_VIN_PORT1: 17.399,21.59 19.812,24.765
Bottom Layer:
  rectangle net LOCK_VIN_PORT1: 13.208,4.318 128.905,9.271
  rectangle net NET_LED_VIN: 23.876,19.177 148.082,21.336

## Silkscreen, mask and mechanical layers (free items; w line width, h text height)
Top Overlay:
  text "B" at 11.176,46.228 h3 r270
  text "A" at 11.303,43.561 h3 r270